# Altium PCB Meter50_v6.PcbDoc (part 3 of 3) (continued)
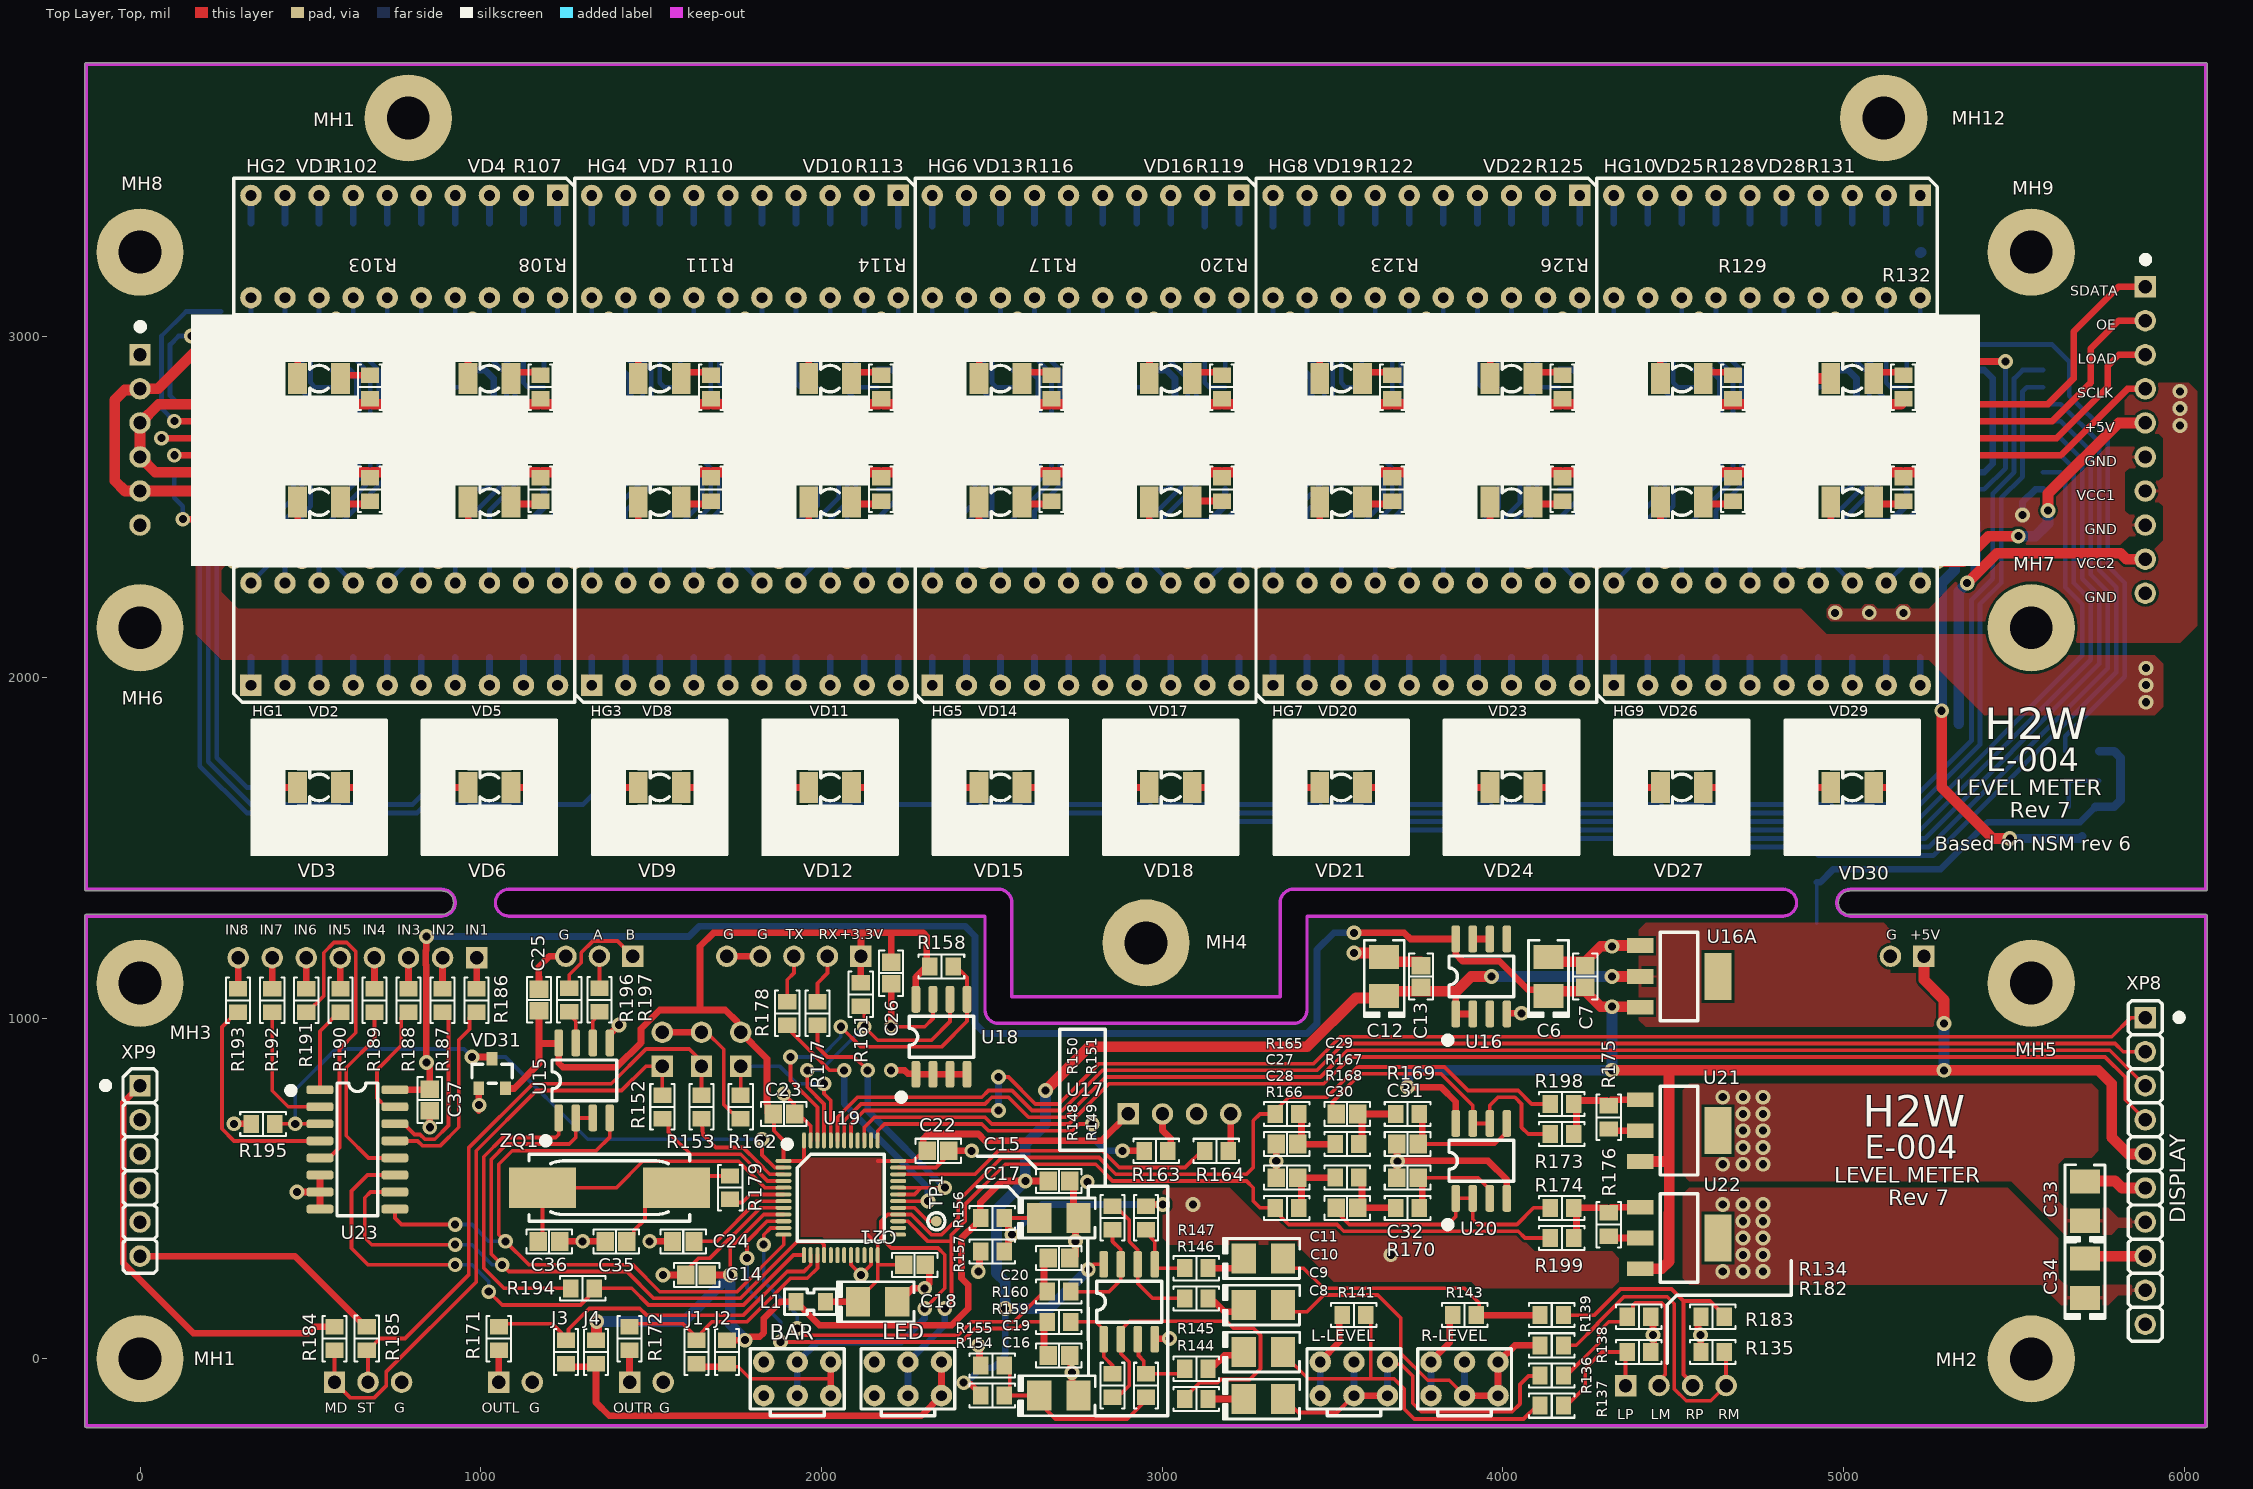
[diagram p0: Top Layer, Top view]
## Nets (pads, with @x,y where several pads share a name; then routed paths per layer and width w, separated by ;. In a path a pad name is that pad's centre, name@x,y a point inside that pad or via, vN(x,y) a via of type N, cw(c..) or ccw(c..) an arc to the next point about the centre after c; other vN are vias at no path point) (continued)
SCL: R161.2 U18.6 U19.45 | length 866.8
  Top Layer, Top w11: v1(1958.66,846.46) 1958.66,797.24 2007.87,748.03 U19.45@2007.87,640.75 ; R161.2@2115.59,1034.92 2125.98,1024.53 v1(2125.98,974.41) 2165.35,935.04 2322.83,935.04 2377.36,989.57 U18.6@2377.36,1054.88
  Bottom Layer, Bottom w11: v1(1958.66,846.46) 1998.03,846.46 v1(2125.98,974.41)
SCLK: U1.11 U2.11 U3.11 U4.11 U5.11 U6.11 U7.11 U8.11 U9.11 U10.11 U11.11 U12.11 U13.11 U14.11 XS1.4 | length 6776
  Top Layer, Top w19.68: v1(100.59,2651.87) v1(500.59,2651.87) v1(900.59,2651.87) v1(1300.59,2651.87) v1(1700.59,2651.87) v1(2100.59,2651.87) v1(2500.59,2651.87) v1(2900.59,2651.87) v1(3300.59,2651.87) v1(3700.59,2651.87) v1(4100.59,2651.87) v1(4500.59,2651.87) v1(4900.59,2651.87) v1(5300.59,2651.87) 5638.09,2651.87 5833.07,2846.85 XS1.4@5885.83,2846.85
  Bottom Layer, Bottom w13.78: v1(100.59,2651.87) U1.11@165.59,2651.87 ; v1(500.59,2651.87) U2.11@565.59,2651.87 ; v1(900.59,2651.87) U3.11@965.59,2651.87 ; v1(1300.59,2651.87) U4.11@1365.59,2651.87 ; v1(1700.59,2651.87) U5.11@1765.59,2651.87 ; v1(2100.59,2651.87) U6.11@2165.59,2651.87 ; v1(2500.59,2651.87) U7.11@2565.59,2651.87 ; v1(2900.59,2651.87) U8.11@2965.59,2651.87 ; v1(3300.59,2651.87) U9.11@3365.59,2651.87 ; v1(3700.59,2651.87) U10.11@3765.59,2651.87 ; v1(4100.59,2651.87) U11.11@4165.59,2651.87 ; v1(4500.59,2651.87) U12.11@4565.59,2651.87 ; v1(4900.59,2651.87) U13.11@4965.59,2651.87 ; v1(5300.59,2651.87) U14.11@5365.59,2651.87
SCLKP: U19.39 XP8.4 | length 4015.6
  Top Layer, Top w11: U19.39@2125.98,640.75 2125.98,679.13 2155.51,708.66 2480.31,708.66 2500,688.98 2726.38,688.98 2844.49,807.09 3474.41,807.09 3553.15,885.83 5767.72,885.83 5826.77,826.77 5826.77,760.24 XP8.4@5885.83,701.18
SD: U14.14 XS1.1 | length 948.7
  Top Layer, Top w19.68: v1(5263.09,2801.87) 5600.59,2801.87 5675.59,2876.87 5675.59,3014.37 5808.07,3146.85 XS1.1@5885.83,3146.85
  Bottom Layer, Bottom w13.78: v1(5263.09,2801.87) U14.14@5365.59,2801.87
SD01: U1.14 U2.9 | length 1371.2
  Top Layer, Top w19.68: v1(150.59,3001.87) 400.59,3001.87 450.59,3051.87 v1(575.59,3051.87)
  Bottom Layer, Bottom w13.78: v1(150.59,3001.87) 113.09,3001.87 88.09,2976.87 88.09,2826.87 113.09,2801.87 U1.14@165.59,2801.87 ; U2.9@565.59,2551.87 613.09,2551.87 675.59,2614.37 675.59,2889.37 575.59,2989.37 v1(575.59,3051.87)
SD02: U2.14 U3.9 | length 1403.6
  Top Layer, Top w19.68: v1(475.59,3001.87) 800.59,3001.87 850.59,3051.87 v1(975.59,3051.87)
  Bottom Layer, Bottom w13.78: v1(475.59,3001.87) 475.59,2839.37 513.09,2801.87 U2.14@565.59,2801.87 ; U3.9@965.59,2551.87 1013.09,2551.87 1075.59,2614.37 1075.59,2889.37 975.59,2989.37 v1(975.59,3051.87)
SD03: U3.14 U4.9 | length 1403.6
  Top Layer, Top w19.68: v1(875.59,3001.87) 1200.59,3001.87 1250.59,3051.87 v1(1375.59,3051.87)
  Bottom Layer, Bottom w13.78: v1(875.59,3001.87) 875.59,2839.37 913.09,2801.87 U3.14@965.59,2801.87 ; U4.9@1365.59,2551.87 1413.09,2551.87 1475.59,2614.37 1475.59,2889.37 1375.59,2989.37 v1(1375.59,3051.87)
SD04: U4.14 U5.9 | length 1403.6
  Top Layer, Top w19.68: v1(1275.59,3001.87) 1600.59,3001.87 1650.59,3051.87 v1(1775.59,3051.87)
  Bottom Layer, Bottom w13.78: v1(1275.59,3001.87) 1275.59,2839.37 1313.09,2801.87 U4.14@1365.59,2801.87 ; U5.9@1765.59,2551.87 1813.09,2551.87 1875.59,2614.37 1875.59,2889.37 1775.59,2989.37 v1(1775.59,3051.87)
SD05: U5.14 U6.9 | length 1403.6
  Top Layer, Top w19.68: v1(1675.59,3001.87) 2000.59,3001.87 2050.59,3051.87 v1(2175.59,3051.87)
  Bottom Layer, Bottom w13.78: v1(1675.59,3001.87) 1675.59,2839.37 1713.09,2801.87 U5.14@1765.59,2801.87 ; U6.9@2165.59,2551.87 2213.09,2551.87 2275.59,2614.37 2275.59,2889.37 2175.59,2989.37 v1(2175.59,3051.87)
SD06: U6.14 U7.9 | length 1403.6
  Top Layer, Top w19.68: v1(2075.59,3001.87) 2213.09,3001.87 2263.09,3051.87 v1(2575.59,3051.87)
  Bottom Layer, Bottom w13.78: v1(2075.59,3001.87) 2075.59,2839.37 2113.09,2801.87 U6.14@2165.59,2801.87 ; U7.9@2565.59,2551.87 2613.09,2551.87 2675.59,2614.37 2675.59,2889.37 2575.59,2989.37 v1(2575.59,3051.87)
SD07: U7.14 U8.9 | length 1403.6
  Top Layer, Top w19.68: v1(2475.59,3001.87) 2613.09,3001.87 2663.09,3051.87 v1(2975.59,3051.87)
  Bottom Layer, Bottom w13.78: v1(2475.59,3001.87) 2475.59,2839.37 2513.09,2801.87 U7.14@2565.59,2801.87 ; U8.9@2965.59,2551.87 3013.09,2551.87 3075.59,2614.37 3075.59,2876.87 2975.59,2976.87 v1(2975.59,3051.87)
SD08: U8.14 U9.9 | length 1403.6
  Top Layer, Top w19.68: v1(2875.59,3001.87) 3200.59,3001.87 3250.59,3051.87 v1(3375.59,3051.87)
  Bottom Layer, Bottom w13.78: v1(2875.59,3001.87) 2875.59,2839.37 2913.09,2801.87 U8.14@2965.59,2801.87 ; U9.9@3365.59,2551.87 3413.09,2551.87 3475.59,2614.37 3475.59,2889.37 3375.59,2989.37 v1(3375.59,3051.87)
SD09: U9.14 U10.9 | length 1403.6
  Top Layer, Top w19.68: v1(3275.59,3001.87) 3600.59,3001.87 3650.59,3051.87 v1(3775.59,3051.87)
  Bottom Layer, Bottom w13.78: v1(3275.59,3001.87) 3275.59,2839.37 3313.09,2801.87 U9.14@3365.59,2801.87 ; U10.9@3765.59,2551.87 3813.09,2551.87 3875.59,2614.37 3875.59,2889.37 3775.59,2989.37 v1(3775.59,3051.87)
SD10: U10.14 U11.9 | length 1403.6
  Top Layer, Top w19.68: v1(3675.59,3001.87) 4000.59,3001.87 4050.59,3051.87 v1(4175.59,3051.87)
  Bottom Layer, Bottom w13.78: v1(3675.59,3001.87) 3675.59,2839.37 3713.09,2801.87 U10.14@3765.59,2801.87 ; U11.9@4165.59,2551.87 4213.09,2551.87 4275.59,2614.37 4275.59,2889.37 4175.59,2989.37 v1(4175.59,3051.87)
SD11: U11.14 U12.9 | length 1403.6
  Top Layer, Top w19.68: v1(4075.59,3001.87) 4400.59,3001.87 4450.59,3051.87 v1(4575.59,3051.87)
  Bottom Layer, Bottom w13.78: v1(4075.59,3001.87) 4075.59,2839.37 4113.09,2801.87 U11.14@4165.59,2801.87 ; U12.9@4565.59,2551.87 4613.09,2551.87 4675.59,2614.37 4675.59,2889.37 4575.59,2989.37 v1(4575.59,3051.87)
SD12: U12.14 U13.9 | length 1403.6
  Top Layer, Top w19.68: v1(4475.59,3001.87) 4800.59,3001.87 4850.59,3051.87 v1(4975.59,3051.87)
  Bottom Layer, Bottom w13.78: v1(4475.59,3001.87) 4475.59,2839.37 4513.09,2801.87 U12.14@4565.59,2801.87 ; U13.9@4965.59,2551.87 5013.09,2551.87 5075.59,2614.37 5075.59,2889.37 4975.59,2989.37 v1(4975.59,3051.87)
SD13: U13.14 U14.9 | length 1347.5
  Top Layer, Top w19.68: v1(4875.59,3001.87) 5225.59,3001.87 5300.59,2926.87 v1(5475.59,2926.87)
  Bottom Layer, Bottom w13.78: v1(4875.59,3001.87) 4875.59,2839.37 4913.09,2801.87 U13.14@4965.59,2801.87 ; U14.9@5365.59,2551.87 5413.09,2551.87 5475.59,2614.37 v1(5475.59,2926.87)
SDA: R158.2 U18.5 U19.46 | length 1079.5
  Top Layer, Top w11: v1(1909.45,885.83) 1909.45,816.93 1988.19,738.19 U19.46@1988.19,640.75 ; v1(2057.09,974.41) 2116.14,915.35 2352.36,915.35 2427.36,990.35 U18.5@2427.36,1054.88 2427.36,1119.88 R158.2@2395.67,1151.57
  Bottom Layer, Bottom w11: v1(1909.45,885.83) 1998.03,885.83 2057.09,944.88 v1(2057.09,974.41)
SDATAP: U19.41 XP8.1 | length 4099.6
  Top Layer, Top w11: U19.41@2086.61,640.75 2086.61,688.98 2125.98,728.35 v1(2519.69,728.35) ; v1(2519.69,826.77) 2549.21,826.77 2627.95,748.03 2696.85,748.03 2814.96,866.14 3444.88,866.14 3523.62,944.88 5787.4,944.88 5843.7,1001.18 XP8.1@5885.83,1001.18
  Bottom Layer, Bottom w19.68: v1(2519.69,728.35) v1(2519.69,826.77)
ST: JP2.1 R153.2 R185.2 XP10.2 | length 1777.6
  Top Layer, Top w11: R185.2@665.59,24.92 669.53,24.92 703.66,59.06 777.56,59.06 964.57,246.06 964.57,618.35 1153.31,807.09 1383.31,807.09 1485.59,909.37 1611.84,909.37 JP2.1@1663.09,858.12 ; XP10.2@669.29,-68.9 R185.2@669.29,21.22 ; R153.2@1648.09,773.82 JP2.1@1648.09,858.12
T0: U1.5 VD3.1 | length 1304.9
  Top Layer, Top w19.68: v1(400.59,1676.87) VD3.1@462.6,1676.87
  Bottom Layer, Bottom w13.78: U1.5@385.59,2701.87 338.09,2701.87 325.59,2689.37 325.59,2551.87 225.59,2451.87 225.59,1764.37 313.09,1676.87 v1(400.59,1676.87)
T1: U1.4 VD6.1 | length 1946.3
  Top Layer, Top w19.68: v1(900.59,1676.87) VD6.1@962.6,1676.87
  Bottom Layer, Bottom w13.78: U1.4@385.59,2751.87 325.59,2751.87 300.59,2726.87 300.59,2564.37 200.59,2464.37 200.59,1751.87 325.59,1626.87 800.59,1626.87 850.59,1676.87 v1(900.59,1676.87)
T2: U1.3 VD9.1 | length 2559.1
  Top Layer, Top w19.68: v1(1400.59,1676.87) VD9.1@1462.6,1676.87
  Bottom Layer, Bottom w13.78: U1.3@385.59,2801.87 325.59,2801.87 275.59,2751.87 275.59,2578.74 175.59,2476.87 175.59,1739.37 313.09,1601.87 813.09,1601.87 838.09,1626.87 1300.59,1626.87 1350.59,1676.87 v1(1400.59,1676.87)
T3: U14.3 VD12.1 | length 5174.8
  Top Layer, Top w19.68: v1(1900.59,1676.87) VD12.1@1962.6,1676.87
  Bottom Layer, Bottom w13.78: v1(1900.59,1676.87) 1950.59,1676.87 2000.59,1626.87 2463.09,1626.87 2488.09,1601.87 2950.59,1601.87 2975.59,1576.87 3438.09,1576.87 3463.09,1551.87 3925.59,1551.87 3950.59,1526.87 4413.09,1526.87 4438.09,1501.87 4900.59,1501.87 4925.59,1476.87 5263.09,1476.87 5800.59,2014.37 5800.59,2264.37 5750.59,2314.37 5750.59,2689.37 5638.09,2801.87 U14.3@5585.59,2801.87
T4: U14.4 VD15.1 | length 4561.4
  Top Layer, Top w19.68: v1(2400.59,1676.87) VD15.1@2462.6,1676.87
  Bottom Layer, Bottom w13.78: v1(2400.59,1676.87) 2450.59,1676.87 2500.59,1626.87 2963.09,1626.87 2988.09,1601.87 3450.59,1601.87 3475.59,1576.87 3938.09,1576.87 3963.09,1551.87 4425.59,1551.87 4450.59,1526.87 4913.09,1526.87 4938.09,1501.87 5250.59,1501.87 5775.59,2026.87 5775.59,2251.87 5725.59,2301.87 5725.59,2664.37 5638.09,2751.87 U14.4@5585.59,2751.87
T5: U14.5 VD18.1 | length 3948
  Top Layer, Top w19.68: v1(2900.59,1676.87) VD18.1@2962.6,1676.87
  Bottom Layer, Bottom w13.78: v1(2900.59,1676.87) 2950.59,1676.87 3000.59,1626.87 3463.09,1626.87 3488.09,1601.87 3950.59,1601.87 3975.59,1576.87 4438.09,1576.87 4463.09,1551.87 4925.59,1551.87 4950.59,1526.87 5238.09,1526.87 5750.59,2039.37 5750.59,2239.37 5700.59,2289.37 5700.59,2639.37 5638.09,2701.87 U14.5@5585.59,2701.87
T6: U14.6 VD21.1 | length 3334.6
  Top Layer, Top w19.68: v1(3400.59,1676.87) VD21.1@3462.6,1676.87
  Bottom Layer, Bottom w13.78: v1(3400.59,1676.87) 3450.59,1676.87 3500.59,1626.87 3963.09,1626.87 3988.09,1601.87 4450.59,1601.87 4475.59,1576.87 4938.09,1576.87 4963.09,1551.87 5225.59,1551.87 5725.59,2051.87 5725.59,2226.87 5675.59,2276.87 5675.59,2614.37 5638.09,2651.87 U14.6@5585.59,2651.87
T7: U14.7 VD24.1 | length 2721.2
  Top Layer, Top w19.68: v1(3900.59,1676.87) VD24.1@3962.6,1676.87
  Bottom Layer, Bottom w13.78: v1(3900.59,1676.87) 3950.59,1676.87 4000.59,1626.87 4463.09,1626.87 4488.09,1601.87 4950.59,1601.87 4975.59,1576.87 5213.09,1576.87 5700.59,2064.37 5700.59,2214.37 5650.59,2264.37 5650.59,2589.37 5638.09,2601.87 U14.7@5585.59,2601.87
T8: U14.2 VD27.1 | length 2330.4
  Top Layer, Top w19.68: v1(4400.59,1676.87) VD27.1@4462.6,1676.87
  Bottom Layer, Bottom w13.78: v1(4400.59,1676.87) 4450.59,1676.87 4500.59,1626.87 4963.09,1626.87 4988.09,1601.87 5200.59,1601.87 5400.59,1801.87 5400.59,2214.37 5463.09,2276.87 5463.09,2526.87 5525.59,2589.37 5525.59,2839.37 5538.09,2851.87 U14.2@5585.59,2851.87
T9: U14.1 VD30.1 | length 1845
  Top Layer, Top w19.68: v1(4900.59,1676.87) VD30.1@4962.6,1676.87
  Bottom Layer, Bottom w13.78: v1(4900.59,1676.87) 4950.59,1676.87 5000.59,1626.87 5188.09,1626.87 5375.59,1814.37 5375.59,2226.87 5438.09,2289.37 5438.09,2539.37 5500.59,2601.87 5500.59,2876.87 5525.59,2901.87 U14.1@5585.59,2901.87
TXD1: R178.2 U19.30 | length 792.1
  Top Layer, Top w11: R178.2@1899.61,970.47 2023.62,846.46 v1(2066.93,846.46) ; U19.30@2225.39,462.6 v1(2312.99,462.6)
  Bottom Layer, Bottom w19.68: v1(2066.93,846.46) 2066.93,748.03 2312.99,501.97 v1(2312.99,462.6)
TXD2: U15.4 U19.12 U23.9 | length 1994.2
  Top Layer, Top w11: U23.9@748.09,439.37 748.09,413.33 767.72,393.7 v1(925.2,393.7) ; U15.4@1379.13,706.93 1379.13,650.79 1338.58,610.24 1092.52,610.24 1053.15,570.87 1053.15,364.17 v1(1072.83,344.49) 1141.73,275.59 1446.85,275.59 1525.59,196.85 1751.97,196.85 1889.76,334.65 1889.76,363.19 U19.12@1888.78,364.17
  Bottom Layer, Bottom w11: v1(925.2,393.7) 974.41,393.7 1023.62,344.49 v1(1072.83,344.49)
VCCBL: R102.2 R103.1 R104.2 R107.2 R108.1 R109.2 R110.2 R111.1 R112.2 R113.2 R114.1 R115.2 R116.2 R117.1 R118.2 R119.2 R120.1 R121.2 R122.2 R123.1 R124.2 R125.2 R126.1 R127.2 R128.2 R129.1 R130.2 R131.2 R132.1 R133.2 XS1.9 XS2.3 XS2.4 | length 12053.7
  Top Layer, Top w31.5: R131.2@5175.59,2808.56 5168.9,2801.87 4682.28,2801.87 4675.59,2808.56 4668.9,2801.87 4182.28,2801.87 4175.59,2808.56 4168.9,2801.87 3682.28,2801.87 3675.59,2808.56 3668.9,2801.87 3182.28,2801.87 3175.59,2808.56 3168.9,2801.87 2682.28,2801.87 2675.59,2808.56 2668.9,2801.87 2182.28,2801.87 2175.59,2808.56 2168.9,2801.87 1682.28,2801.87 1675.59,2808.56 1668.9,2801.87 1182.28,2801.87 1175.59,2808.56 1168.9,2801.87 682.28,2801.87 675.59,2808.56 668.9,2801.87 55.02,2801.87 XS2.3@0,2746.85 XS2.4@0,2646.85 44.98,2601.87 668.9,2601.87 675.59,2595.18 682.28,2601.87 1168.9,2601.87 1175.59,2595.18 1182.28,2601.87 1668.9,2601.87 1675.59,2595.18 1682.28,2601.87 2168.9,2601.87 2175.59,2595.18 2182.28,2601.87 2668.9,2601.87 2675.59,2595.18 2682.28,2601.87 3168.9,2601.87 3175.59,2595.18 3182.28,2601.87 3668.9,2601.87 3675.59,2595.18 3682.28,2601.87 4168.9,2601.87 4175.59,2595.18 4182.28,2601.87 4668.9,2601.87 4675.59,2595.18 4682.28,2601.87 5168.9,2601.87 5175.59,2595.18 5182.28,2601.87 5250.59,2601.87 v1(5350.59,2489.37) ; v1(5363.09,2276.87) 5450.59,2364.37 5813.09,2364.37 5830.61,2346.85 XS1.9@5885.83,2346.85
  Bottom Layer, Bottom w31.5: 5338.09,1864.37 5338.09,2251.87 v1(5363.09,2276.87) 5388.09,2301.87 5388.09,2451.87 v1(5350.59,2489.37)
VCCBLP: C34.1 R176.2 U22.2 XP8.9 | length 94.2
  Top Layer, Top w19.68: R176.2@4311.02,350.39 4314.96,354.33 U22.2@4403.54,354.33
  other v1: 4645.67,255.91 4704.72,255.91 4763.78,255.91 4704.72,305.12 4763.78,305.12 4704.72,354.33 4763.78,354.33 4704.72,403.54 4763.78,403.54 4645.67,452.76 4704.72,452.76 4763.78,452.76
VCCUV: R2.2 R3.1 R4.2 R5.1 R6.2 R7.1 R8.2 R9.1 R10.2 R11.1 R12.2 R13.1 R14.2 R15.1 R16.2 R17.1 R18.2 R19.1 R20.2 R21.1 R22.2 R23.1 R24.2 R25.1 R26.2 R27.1 R28.2 R29.1 R30.2 R31.1 R32.2 R33.1 R34.2 R35.1 R36.2 R37.1 R38.2 R39.1 R40.2 R41.1 R42.2 R43.1 R44.2 R45.1 R46.2 R47.1 R48.2 R49.1 R50.2 R51.1 R52.2 R53.1 R54.2 R55.1 R56.2 R57.1 R58.2 R59.1 R60.2 R61.1 R62.2 R63.1 R64.2 R65.1 R66.2 R67.1 R68.2 R69.1 R70.2 R71.1 R72.2 R73.1 R74.2 R75.1 R76.2 R77.1 R78.2 R79.1 R80.2 R81.1 R82.2 R83.1 R84.2 R85.1 R86.2 R87.1 R88.2 R89.1 R90.2 R91.1 R92.2 R93.1 R94.2 R95.1 R96.2 R97.1 R98.2 R99.1 R100.2 R101.1 XS1.7 | length 2.8
  Bottom Layer, Bottom w31.5: R100.2@5225.59,3246.06 R100.2@5227.56,3248.03
  other v1: 4975.59,2189.37 5075.59,2189.37 5175.59,2189.37 5988.09,2739.37 5988.09,2789.37 5988.09,2839.37
VCCUVP: C33.1 R175.2 U21.2 XP8.7 | length 94.2
  Top Layer, Top w19.68: R175.2@4311.02,665.35 4314.96,669.29 U21.2@4403.54,669.29
  other v1: 4645.67,570.87 4704.72,570.87 4763.78,570.87 4704.72,620.08 4763.78,620.08 4704.72,669.29 4763.78,669.29 4704.72,718.5 4763.78,718.5 4645.67,767.72 4704.72,767.72 4763.78,767.72
pads on no net: MH1.1 MH2.1 MH3.1 MH4.1 MH5.1 MH6.1 MH7.1 MH8.1 MH9.1 MH12.1 U1.9 U1.15 U16.3 U16.5 U16A.4 U19.17 U19.18 U19.19 U19.21 U19.22 U19.25 U19.26 U19.33 U19.38 U19.40 U21.4 U22.4 XP9.2 XP9.3 XP9.4 XP9.5 XS2.1 XS2.6

## Polygon pours and split planes (outlines as drawn)
GNDD on Top Layer, Top "Top Layer, Top-GNDD" (solid, pour order 7): 5250.59,2051.87 5413.09,1889.37 5913.09,1889.37 5938.09,1914.37 5938.09,2039.37 5913.09,2064.37 5563.09,2064.37 5500.59,2126.87 4950.59,2126.87 4875.59,2201.87 288.09,2201.87 238.09,2251.87 238.09,2314.37 263.09,2339.37 463.09,2339.37 463.09,2389.37 413.09,2439.37 200.59,2439.37 163.09,2401.87 163.09,2126.87 238.09,2051.87
VCCUV on Top Layer, Top "Top Layer, Top-VCC1" (solid, remove dead copper, pour order 2): 5938.09,2401.87 5900.59,2364.37 5413.09,2364.37 5250.59,2201.87 5200.59,2201.87 5188.09,2214.37 5163.09,2214.37 5150.59,2201.87 5100.59,2201.87 5088.09,2214.37 5063.09,2214.37 5050.59,2201.87 5000.59,2201.87 4988.09,2214.37 4963.09,2214.37 4950.59,2201.87 4950.59,2176.87 4963.09,2164.37 5525.59,2164.37 5588.09,2101.87 5988.09,2101.87 6038.09,2151.87 6038.09,2839.37 6013.09,2864.37 5838.09,2864.37 5825.59,2851.87 5825.59,2726.87 5838.09,2714.37 5925.59,2714.37 5938.09,2701.87 5938.09,2589.37 5925.59,2576.87 5875.59,2576.87 5863.09,2564.37 5863.09,2526.87 5875.59,2514.37 5925.59,2514.37 5938.09,2501.87
GNDD on Top Layer, Top "Top Layer, Top-GNDD 1" (solid, pour order 6): 3001.97,492.13 3001.97,354.33 3021.65,334.65 3395.67,334.65 3503.94,226.38 3907.48,226.38 3927.17,206.69 4320.87,206.69 4340.55,226.38 4340.55,295.28 4320.87,314.96 4094.49,314.96 4035.43,374.02 3533.46,374.02 3503.94,403.54 3297.24,403.54 3198.82,501.97 3011.81,501.97
+3.3VA on Top Layer, Top "Top Layer, Top-+3.3VA" (solid, pour order 5): 4399.61,1259.84 4399.61,994.09 4419.29,974.41 5295.28,974.41 5295.28,1053.15 5216.54,1131.89 5137.8,1131.89 5137.8,1259.84 5118.11,1279.53 4419.29,1279.53
VCCUVP on Top Layer, Top "Top Layer, Top-VCC1P" (solid, pour order 4): 4527.56,787.4 4527.56,541.34 4547.24,521.65 5492.13,521.65 5649.61,364.17 5787.4,364.17 5807.09,383.86 5895.67,383.86 5895.67,413.39 5807.09,413.39 5777.56,442.91 5649.61,442.91 5629.92,462.6 5629.92,570.87 5649.61,590.55 5728.35,590.55 5748.03,610.24 5748.03,787.4 5728.35,807.09 4547.24,807.09
VCCBLP on Top Layer, Top "Top Layer, Top-VCC2P" (solid, pour order 3): 4527.56,482.28 4527.56,236.22 4547.24,216.54 5580.71,216.54 5639.76,157.48 5777.56,157.48 5807.09,187.01 5895.67,187.01 5895.67,216.54 5649.61,216.54 5629.92,236.22 5629.92,354.33 5482.28,501.97 4547.24,501.97
GNDD on Top Layer, Top "Top Layer, Top-GNDD 2" (solid, remove dead copper, pour order 1): 5388.09,2526.87 5250.59,2389.37 5275.59,2376.87 5800.59,2376.87 5838.09,2414.37 5888.09,2414.37 5900.59,2426.87 5900.59,2464.37 5888.09,2476.87 5838.09,2476.87 5825.59,2489.37 5825.59,2601.87 5838.09,2614.37 5888.09,2614.37 5900.59,2626.87 5900.59,2664.37 5888.09,2676.87 5750.59,2676.87 5600.59,2526.87
+3.3V on Top Layer, Top "Top Layer, Top-+3.3V" (solid, pour order 0): 1938.98,580.71 1938.98,354.33 2175.2,354.33 2175.2,590.55 1948.82,590.55
GNDD on Bottom Layer, Bottom "Bottom Layer, Bottom-GNDD" (solid, remove dead copper, pour order 14): 6043.31,1259.84 6023.62,1279.53 3464.57,1279.53 3444.88,1259.84 3444.88,974.41 3415.35,944.88 2490.16,944.88 2460.63,974.41 2460.63,1259.84 2440.94,1279.53 -118.11,1279.53 -137.8,1259.84 -137.8,-157.48 -118.11,-177.17 935.04,-177.17 954.72,-157.48 954.72,-19.69 1230.31,255.91 1515.75,255.91 1515.75,226.38 1240.16,226.38 984.25,-29.53 984.25,-157.48 1003.94,-177.17 4734.25,-177.17 4753.94,-157.48 4753.94,167.32 4734.25,187.01 3917.32,187.01 3887.8,216.54 3484.25,216.54 3375.98,324.8 3129.92,324.8 3021.65,433.07 2460.63,433.07 2401.57,374.02 2401.57,147.64 2312.99,59.06 1870.08,59.06 1702.76,226.38 1555.12,226.38 1555.12,255.91 1712.6,255.91 1879.92,88.58 2303.15,88.58 2372.05,157.48 2372.05,383.86 2450.79,462.6 3031.5,462.6 3139.76,354.33 3385.83,354.33 3494.09,246.06 3690.94,246.06 3710.63,265.75 3710.63,807.09 3740.16,836.61 5669.29,836.61 5708.66,797.24 5708.66,226.38 5669.29,187.01 4803.15,187.01 4783.46,167.32 4783.46,-157.48 4803.15,-177.17 6023.62,-177.17 6043.31,-157.48
VCCUV on Bottom Layer, Bottom "Bottom Layer, Bottom-VCC1" (solid, pour order 13): 300.59,3264.37 300.59,3201.87 313.09,3189.37 5250.59,3189.37 5438.09,3001.87 5625.59,3001.87 5688.09,2939.37 5688.09,2839.37 5800.59,2726.87 5800.59,2526.87 5813.09,2514.37 5900.59,2514.37 5913.09,2526.87 5913.09,2564.37 5900.59,2576.87 5850.59,2576.87 5825.59,2601.87 5825.59,2689.37 5850.59,2714.37 6013.09,2714.37 6038.09,2739.37 6038.09,3239.37 6013.09,3264.37
VCCBL on Bottom Layer, Bottom "Bottom Layer, Bottom-VCC2" (solid, pour order 12): 5325.59,1801.87 5350.59,1826.87 5350.59,1876.87 5338.09,1876.87 5313.09,1851.87 5263.09,1851.87 5238.09,1876.87 638.09,1876.87 625.59,1864.37 625.59,1801.87
VCCUV on Bottom Layer, Bottom "Bottom Layer, Bottom-VCC1 1" (solid, pour order 11): 5250.59,2126.87 5250.59,2189.37 5238.09,2201.87 313.09,2201.87 300.59,2189.37 300.59,2126.87
GNDD on Bottom Layer, Bottom "Bottom Layer, Bottom-GNDD 1" (solid, pour order 8): 5875.59,2614.37 5913.09,2614.37 5950.59,2576.87 5950.59,2514.37 5913.09,2476.87 5813.09,2476.87 5800.59,2464.37 5800.59,2339.37 5850.59,2289.37 5850.59,1989.37 5738.09,1876.87 5738.09,1776.87 5763.09,1776.87 5763.09,1826.87 5788.09,1851.87 6013.09,1851.87 6038.09,1876.87 6038.09,2651.87 6013.09,2676.87 5875.59,2676.87 5863.09,2664.37 5863.09,2626.87
VCCUVP on Bottom Layer, Bottom "Bottom Layer, Bottom-VCC1P" (solid, pour order 10): 3759.84,521.65 5659.45,521.65 5679.13,541.34 5679.13,787.4 5659.45,807.09 3759.84,807.09 3740.16,787.4 3740.16,541.34
VCCBLP on Bottom Layer, Bottom "Bottom Layer, Bottom-VCC2P" (solid, pour order 9): 3759.84,246.06 3897.64,246.06 3927.17,216.54 5659.45,216.54 5679.13,236.22 5679.13,472.44 5659.45,492.13 3759.84,492.13 3740.16,472.44 3740.16,265.75

## Keep-outs
Keep-Out Layer, Board:
  lines w10: -157.48,-196.85 6062.99,-196.85 6062.99,1299.21 5019.69,1299.21 cw(c5019.69,1338.58) 5019.69,1377.95 6062.99,1377.95 6062.99,3799.21 -157.48,3799.21 -157.48,1377.95 885.83,1377.95 cw(c885.83,1338.58) 885.83,1299.21 -157.48,1299.21 -157.48,-196.85 ; 1082.68,1299.21 cw(c1082.68,1338.58) 1082.68,1377.95 2519.69,1377.95 cw(c2519.69,1338.58) 2559.06,1338.58 2559.06,1062.99 3346.46,1062.99 3346.46,1338.58 cw(c3385.83,1338.58) 3385.83,1377.95 4822.83,1377.95 cw(c4822.83,1338.58) 4822.83,1299.21 3425.2,1299.21 3425.2,1023.62 cw(c3385.83,1023.62) 3385.83,984.25 2519.69,984.25 cw(c2519.69,1023.62) 2480.31,1023.62 2480.31,1299.21 1082.68,1299.21

## Silkscreen, mask and mechanical layers (free items; w line width, h text height)
Top Overlay, Top Silk:
  drawing of 130 lines, arcs and shapes, not listed
  text "SDATA" at 5665.16,3119.98 h29.53
  text "OE" at 5741.95,3020 h29.53
  text "LOAD" at 5687.32,2920 h29.53
  text "SCLK" at 5685.85,2820 h29.53
  text "+5V" at 5707.99,2720 h29.53
  text "GND" at 5707.99,2620 h29.53
  text "VCC1" at 5684.37,2520 h29.53
  text "GND" at 5707.99,2420 h29.53
  text "VCC2" at 5684.37,2320 h29.53
  text "GND" at 5707.99,2220 h29.53
  text "H2W" at 5414.16,1787 h157.48
  text "E-004" at 5419.75,1700.92 h118.11
  text "LEVEL METER" at 5329.5,1637.47 h78.74
  text "Rev 7" at 5487.93,1571 h78.74
  text "Based on NSM rev 6" at 5267.72,1477 h70.87
  text "IN8" at 250.68,1244.72 h29.53
  text "IN7" at 351.53,1244.72 h29.53
  text "IN6" at 451.69,1244.72 h29.53
  text "IN5" at 551.84,1244.72 h29.53
  text "IN4" at 653.4,1244.72 h29.53
  text "IN3" at 754.96,1244.72 h29.53
  text "IN2" at 855.82,1244.72 h29.53
  text "IN1" at 955.27,1244.72 h29.53
  text "G" at 1229.18,1230.31 h29.53
  text "A" at 1329.82,1230.31 h29.53
  text "B" at 1426.03,1230.31 h29.53
  text "G" at 1711.72,1230.72 h29.53
  text "G" at 1811.16,1230.72 h29.53
  text "TX" at 1895.4,1230.72 h29.53
  text "RX" at 1992.4,1230.72 h29.53
  text "+3.3V" at 2053.58,1230.72 h29.53
  text "G" at 5125.72,1229.72 h29.53
  text "+5V" at 5195.72,1229.72 h29.53
  text "H2W" at 5057.16,650 h157.48
  text "E-004" at 5062.75,563.92 h118.11
  text "LEVEL METER" at 4972.5,500.47 h78.74
  text "Rev 7" at 5130.93,434 h78.74
  text "DISPLAY" at 6020,398 h78.74 r90
  text "LED" at 2178.07,41 h78.74
  text "BAR" at 1848,39 h78.74
  text "L-LEVEL" at 3437.58,39.53 h59.06
  text "R-LEVEL" at 3761.28,39.53 h59.06
  text "MD" at 542.18,-159.26 h29.53
  text "ST" at 637.4,-159.26 h29.53
  text "G" at 746.9,-159.26 h29.53
  text "OUTL" at 1002.78,-159.26 h29.53
  text "G" at 1142.33,-159.26 h29.53
  text "OUTR" at 1389.62,-159.26 h29.53
  text "G" at 1523.73,-159.26 h29.53
  text "LP" at 4335.72,-177.28 h29.53
  text "LM" at 4433.72,-177.28 h29.53
  text "RM" at 4631.72,-177.28 h29.53
  text "RP" at 4536.72,-178.28 h29.53
Bottom Overlay, Bot Silk:
  circle w19.68: c5983.56,3146.46 r9.84
  circle w19.68: c5364.17,1181.1 r9.84
  circle w19.68: c4788.09,2964.37 r9.84
  circle w19.68: c3588.09,2964.37 r9.84
  circle w19.68: c2388.09,2964.37 r9.84
  circle w19.68: c1188.09,2964.37 r9.84
  circle w19.68: c5887.8,1078.44 r9.84
  circle w19.68: c5588.09,2964.37 r9.84
  circle w19.68: c5188.09,2964.37 r9.84
  circle w19.68: c4388.09,2964.37 r9.84
  circle w19.68: c4232.28,-78.74 r9.84
  circle w19.68: c3988.09,2964.37 r9.84
  circle w19.68: c3188.09,2964.37 r9.84
  circle w19.68: c2788.09,2964.37 r9.84
  circle w19.68: c2903.54,807.09 r9.84
  circle w19.68: c2244.09,1181.1 r9.84
  circle w19.68: c1988.09,2964.37 r9.84
  circle w19.68: c1588.09,2964.37 r9.84
  circle w19.68: c1574.8,1181.1 r9.84
  circle w19.68: c1309.06,-68.9 r9.84
  circle w19.68: c1075.59,1176.87 r9.84
  circle w19.68: c925.2,-68.9 r9.84
  circle w19.68: c788.09,2964.37 r9.84
  circle w19.68: c388.09,2964.37 r9.84
  circle w19.68: c442.91,-68.9 r9.84
  circle w19.68: c1.97,881.59 r9.84
  circle w19.68: c-99.11,2949.61 r9.84
  region: 4842.52,3720.47 4842.52,3681.1 4704.72,3681.1 4704.72,3602.36 4842.52,3602.36 4842.52,3562.99 4921.26,3641.73
  region: 1062.99,3562.99 1062.99,3602.36 1200.79,3602.36 1200.79,3681.1 1062.99,3681.1 1062.99,3720.47 984.25,3641.73
  region: 2819.74,1464.85 2791.9,1437.01 2694.46,1534.44 2638.78,1478.77 2736.22,1381.33 2708.38,1353.49 2819.74,1353.49
  text "H2W" at 5730.58,3653 h157.48
  text "E-004" at 5727.25,3566.92 h118.11
  text "LEVEL METER" at 5819.5,3503.47 h78.74
  text "Rev 7" at 5653.07,3437 h78.74
  text "IN8" at 330.33,1240.72 h29.53
  text "IN7" at 429.04,1240.72 h29.53
  text "IN6" at 527.75,1240.72 h29.53
  text "IN5" at 626.45,1240.72 h29.53
  text "IN4" at 725.16,1240.72 h29.53
  text "IN3" at 823.86,1240.72 h29.53
  text "IN2" at 922.57,1240.72 h29.53
  text "IN1" at 1021.28,1240.72 h29.53
  text "POWER" at 4999.93,1111 h78.74
  text "INDICATION" at 834.93,1055 h78.74
  text "GND" at 5169.69,1013.78 h29.53 r90
  text "+5V" at 5268.11,1013.78 h29.53 r90
  text "SDATA" at 5835.28,986.72 h29.53
  text "LINK" at 1425.93,972 h78.74
  text "PORT" at 2034.93,972 h78.74
  text "OE" at 5835.28,886.61 h29.53
  text "SWD" at 3244.93,799 h78.74
  text "LOAD" at 5835.28,786.5 h29.53
  text "SCLK" at 5835.28,686.39 h29.53
  text "H2W" at 5403.58,649 h157.48
  text "+5V" at 5835.28,586.28 h29.53
  text "E-004" at 5400.25,562.92 h118.11
  text "BOOT" at 1738,511 h78.74 r270
  text "LEVEL METER" at 5492.5,499.47 h78.74
  text "GND" at 5835.28,486.17 h29.53
  text "MODE 1" at 1509.91,466.19 h78.74 r270
  text "MODE 2" at 1623.92,435.95 h78.74 r270
  text "Rev 7" at 5326.07,433 h78.74
  text "VCC1" at 5835.28,386.06 h29.53
  text "GND" at 5835.28,285.95 h29.53
  text "GND-L" at 4475.61,222.28 h29.53 r90
  text "GND-R" at 4672.28,222.28 h29.53 r90
  text "IN-L" at 4377.28,187.84 h29.53 r90
  text "IN-R" at 4573.94,187.84 h29.53 r90
  text "VCC2" at 5835.28,185.84 h29.53
  text "LEFT" at 3655.63,153.67 h78.74
  text "RIGHT" at 3993.72,153.67 h78.74
  text "LEDS" at 2352.93,150 h78.74
  text "BAR" at 2010,149 h78.74
  text "KEYBOARD" at 873.93,96.61 h78.74
  text "OUT L" at 1208.44,96.61 h78.74
  text "OUT R" at 1592.3,96.61 h78.74
  text "GND" at 5835.28,85.72 h29.53
  text "INPUT" at 5006.93,-82 h78.74
Mechanical 1, Top Assy:
  lines w10: 2755.91,2539.37 2795.28,2539.37 ; 2775.59,2519.69 2775.59,2559.05